# KiCad board eeg_hardware_v1.kicad_pcb
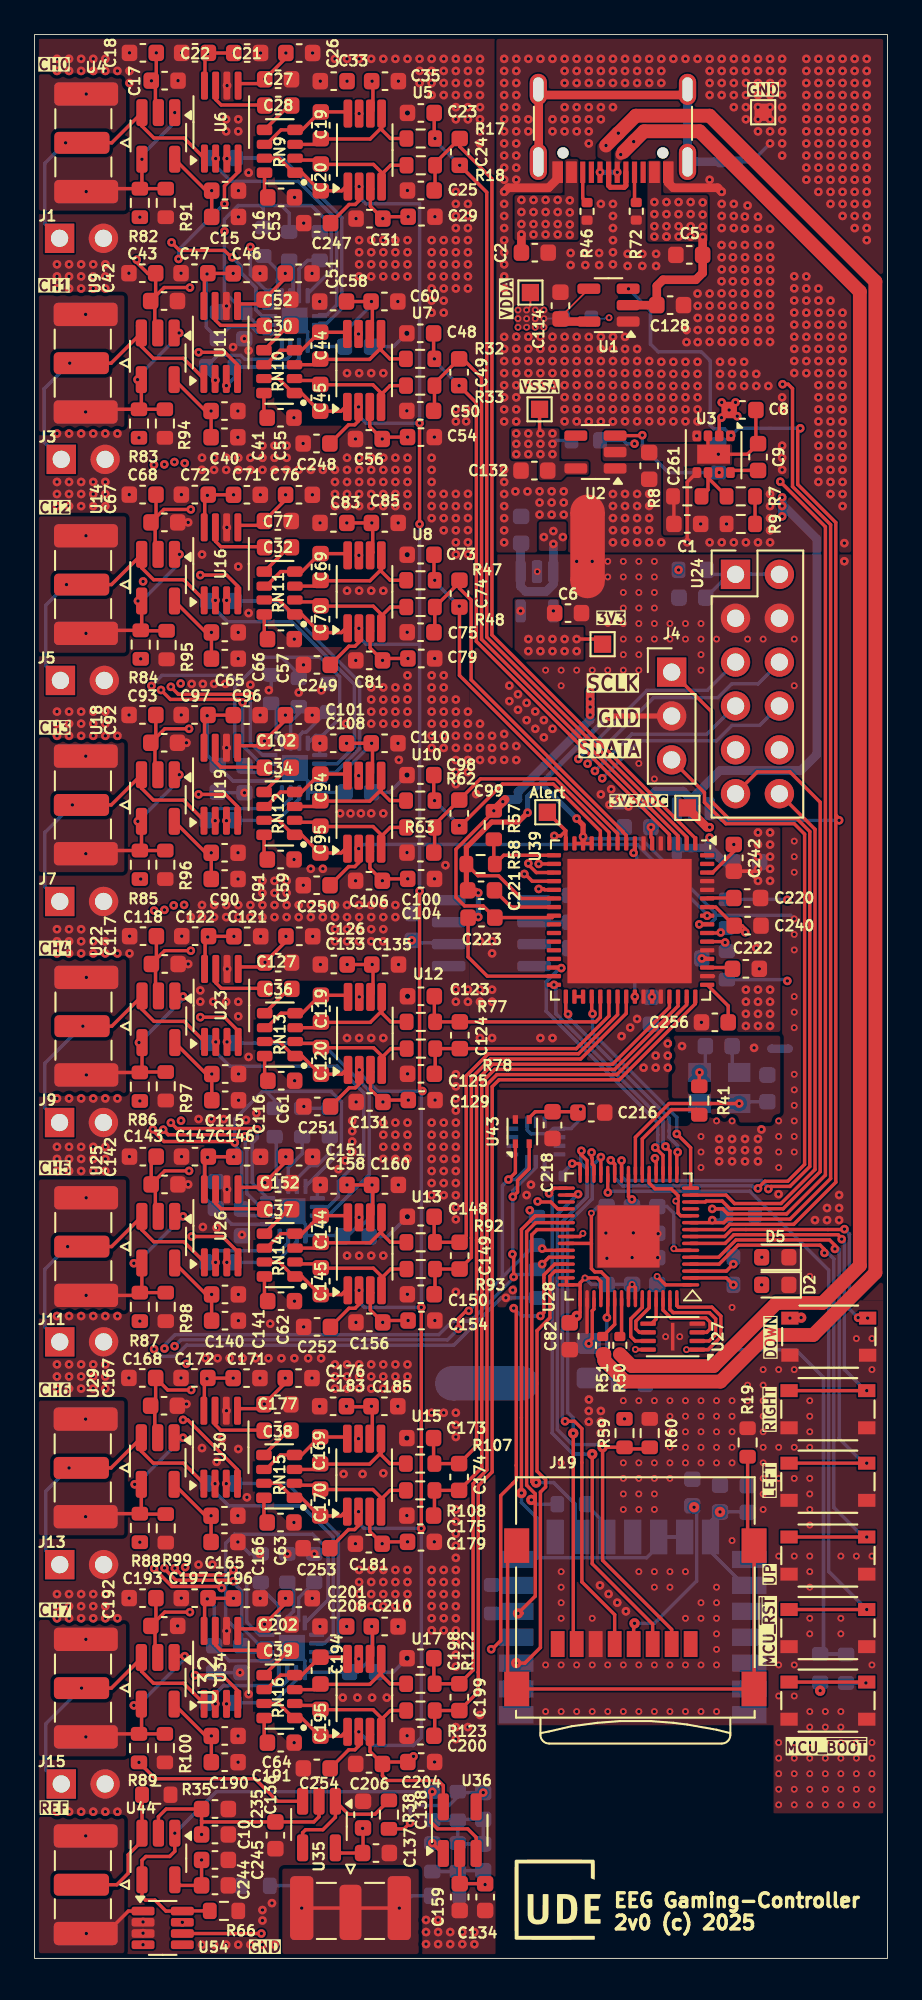
[diagram p0: board, top side]
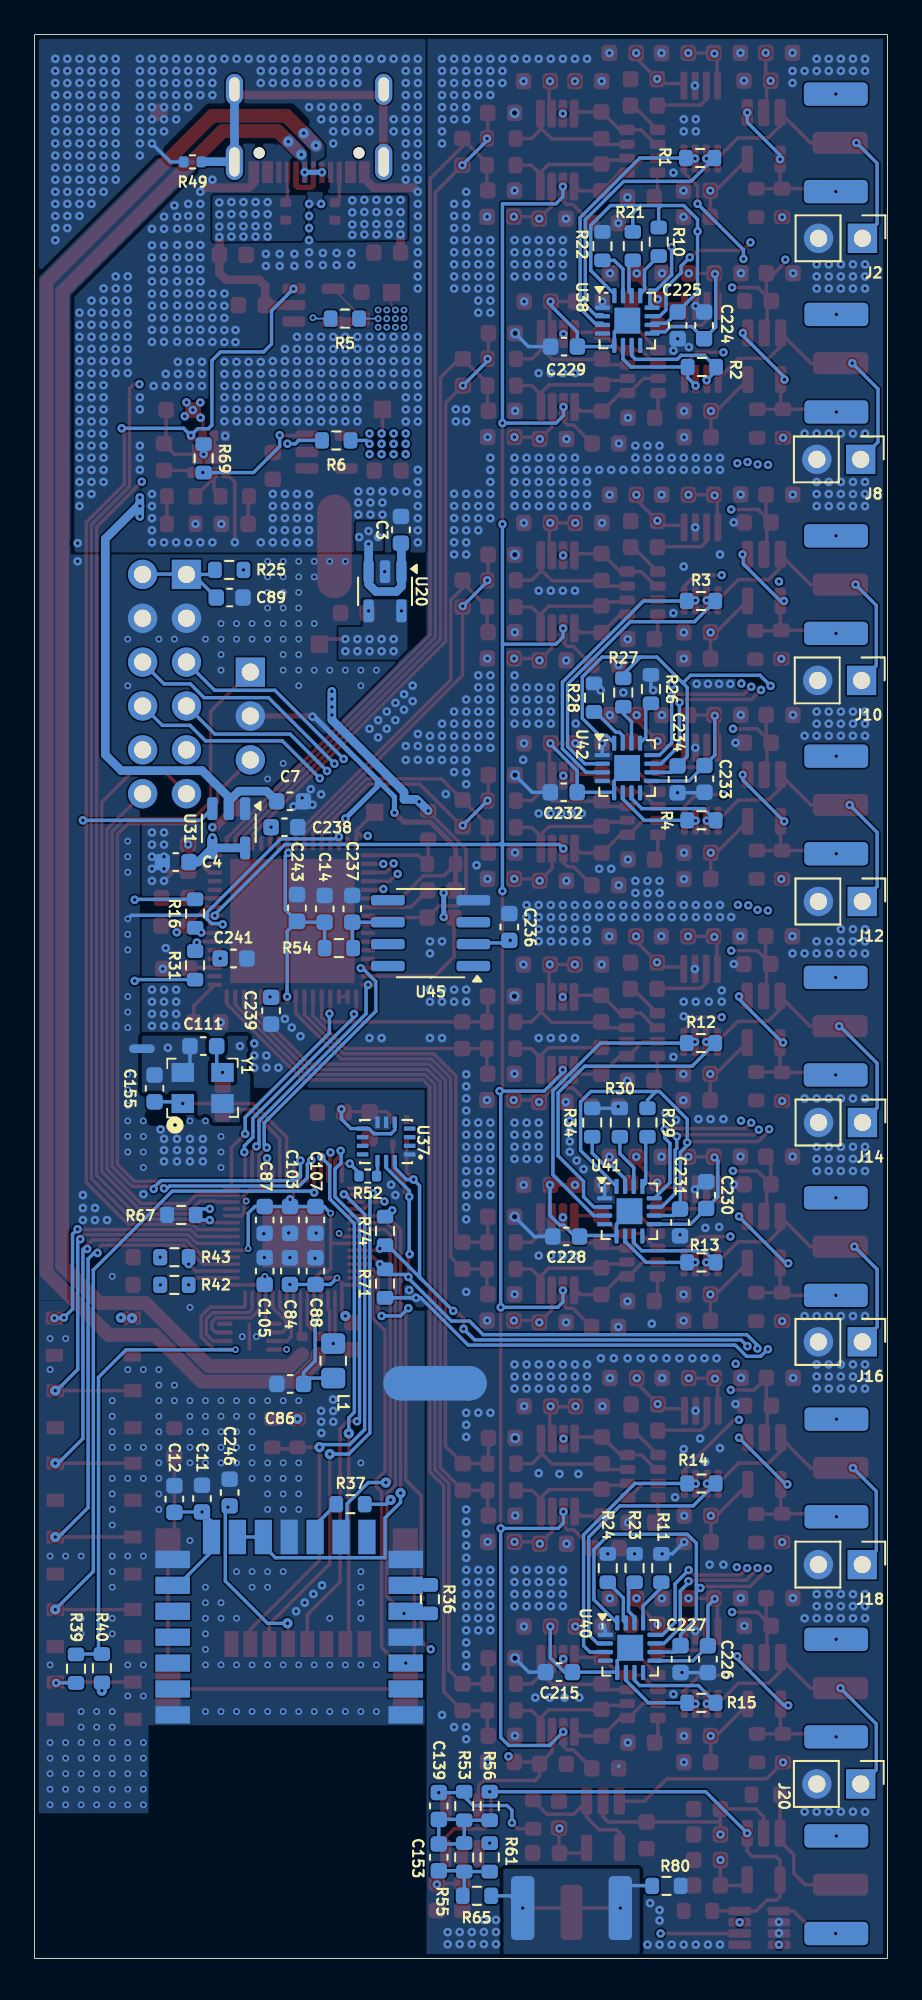
[diagram p1: board, bottom side, seen from below]

Outline 49.4 x 111.4 mm; copper layers: Top, In1.Cu, In2.Cu, Bottom. Coordinates in mm from the lower left corner of the outline.
Outline path: rectangle 0,111.4 49.4,0
Stack: Top 0.035mm / dielectric 0.1mm FR4 er 4.5 / In1.Cu 0.035mm / dielectric 1.24mm FR4 er 4.5 / In2.Cu 0.035mm / dielectric 0.1mm FR4 er 4.5 / Bottom 0.035mm

## Placement (name value [footprint] x y rotation side)
C1  22µ  [C_0603_1608Metric]  37.81 83.06 180 top
C2  22µ  [C_0603_1608Metric]  28.97 98.77 0 top
C3  100n  [C_0603_1608Metric]  28.18 82.72 90 bottom
C4  10µ  [C_0603_1608Metric]  41.22 63.48 0 bottom
C5  22µ  [C_0603_1608Metric]  37.92 98.64 180 top
C6  100n  [C_0603_1608Metric]  30.9 77.9 0 top
C7  10µ  [C_0603_1608Metric]  34.6 67 180 bottom
C8  10µ  [C_0603_1608Metric]  41 89.66 0 top
C9  100n  [C_0603_1608Metric]  41.91 86.94 90 top
C10  10µ  [C_0603_1608Metric]  10.45 7.18 0 top
C11  100n  [C_0603_1608Metric]  39.7 26.62 90 bottom
C12  100n  [C_0603_1608Metric]  41.3 26.6 90 bottom
C14  100n  [C_0603_1608Metric]  32.6 60.78 270 bottom
C15  10µ  [C_0603_1608Metric]  11.03 100.84 0 top
C16  100n  [C_0603_1608Metric]  11.03 102.36 0 top
C17  10µ  [C_0603_1608Metric]  7.53 108.73 0 top
C18  100n  [C_0603_1608Metric]  6.28 110.34 180 top
C19  1n  [C_0603_1608Metric]  16.58 106.15 270 top
C20  1n  [C_0603_1608Metric]  16.58 103.12 90 top
C21  10µ  [C_0603_1608Metric]  12.31 110.33 0 top
C22  100n  [C_0603_1608Metric]  9.3 110.34 180 top
C23  100p  [C_0603_1608Metric]  22.37 106.86 0 top  (not fitted)
C24  100p  [C_0603_1608Metric]  24.63 104.61 90 top
C25  100p  [C_0603_1608Metric]  22.37 102.37 180 top  (not fitted)
C26  10µ  [C_0603_1608Metric]  15.33 110.33 0 top
C27  100n  [C_0603_1608Metric]  14.11 108.81 0 top
C28  68µ  [C_0603_1608Metric]  14.11 107.29 180 top
C29  10u  [C_0603_1608Metric]  22.42 100.85 0 top
C30  68µ  [C_0603_1608Metric]  14.08 94.53 180 top
C31  100n  [C_0603_1608Metric]  19.39 100.74 180 top
C32  68µ  [C_0603_1608Metric]  14.1 81.71 180 top
C33  10u  [C_0603_1608Metric]  17.33 108.7 180 top
C34  68µ  [C_0603_1608Metric]  14.09 68.95 180 top
C35  100n  [C_0603_1608Metric]  20.3 108.7 0 top
C36  68µ  [C_0603_1608Metric]  14.12 56.14 180 top
C37  68µ  [C_0603_1608Metric]  14.11 43.38 180 top
C38  68µ  [C_0603_1608Metric]  14.08 30.56 180 top
C39  68µ  [C_0603_1608Metric]  14.09 17.81 180 top
C40  10µ  [C_0603_1608Metric]  11 88.08 0 top
C41  100n  [C_0603_1608Metric]  11 89.6 0 top
C42  10µ  [C_0603_1608Metric]  7.5 95.97 0 top
C43  100n  [C_0603_1608Metric]  6.24 97.58 180 top
C44  1n  [C_0603_1608Metric]  16.55 93.39 270 top
C45  1n  [C_0603_1608Metric]  16.55 90.37 90 top
C46  10µ  [C_0603_1608Metric]  12.28 97.57 0 top
C47  100n  [C_0603_1608Metric]  9.26 97.58 180 top
C48  100p  [C_0603_1608Metric]  22.34 94.1 0 top  (not fitted)
C49  100p  [C_0603_1608Metric]  24.59 91.84 90 top
C50  100p  [C_0603_1608Metric]  22.34 89.61 180 top  (not fitted)
C51  10µ  [C_0603_1608Metric]  15.3 97.57 0 top
C52  100n  [C_0603_1608Metric]  14.07 96.05 0 top
C53  68µ  [C_0603_1608Metric]  14.28 101.97 0 top
C54  10u  [C_0603_1608Metric]  22.38 88.09 0 top
C55  68µ  [C_0603_1608Metric]  14.25 89.21 0 top
C56  100n  [C_0603_1608Metric]  19.36 87.98 180 top
C57  68µ  [C_0603_1608Metric]  14.27 76.39 0 top
C58  10u  [C_0603_1608Metric]  17.29 95.94 180 top
C59  68µ  [C_0603_1608Metric]  14.26 63.63 0 top
C60  100n  [C_0603_1608Metric]  20.27 95.94 0 top
C61  68µ  [C_0603_1608Metric]  14.29 50.82 0 top
C62  68µ  [C_0603_1608Metric]  14.28 38.06 0 top
C63  68µ  [C_0603_1608Metric]  14.25 25.24 0 top
C64  68µ  [C_0603_1608Metric]  14.26 12.49 0 top
C65  10µ  [C_0603_1608Metric]  11.02 75.26 0 top
C66  100n  [C_0603_1608Metric]  11.02 76.78 0 top
C67  10µ  [C_0603_1608Metric]  7.52 83.15 0 top
C68  100n  [C_0603_1608Metric]  6.26 84.76 180 top
C69  1n  [C_0603_1608Metric]  16.57 80.56 270 top
C70  1n  [C_0603_1608Metric]  16.57 77.55 90 top
C71  10µ  [C_0603_1608Metric]  12.3 84.75 0 top
C72  100n  [C_0603_1608Metric]  9.28 84.76 180 top
C73  100p  [C_0603_1608Metric]  22.36 81.28 0 top  (not fitted)
C74  100p  [C_0603_1608Metric]  24.61 79.03 90 top
C75  100p  [C_0603_1608Metric]  22.36 76.79 180 top  (not fitted)
C76  10µ  [C_0603_1608Metric]  15.32 84.75 0 top
C77  100n  [C_0603_1608Metric]  14.09 83.23 0 top
C79  10u  [C_0603_1608Metric]  22.4 75.27 0 top
C81  100n  [C_0603_1608Metric]  19.38 75.16 180 top
C82  10µ  [C_0603_1608Metric]  31 36.03 90 top
C83  10u  [C_0603_1608Metric]  17.31 83.12 180 top
C84  100n  [C_0603_1608Metric]  34.61 39.8 270 bottom
C85  100n  [C_0603_1608Metric]  20.29 83.12 0 top
C86  10µ  [C_0603_1608Metric]  34.59 33.26 180 bottom
C87  100n  [C_0603_1608Metric]  36.07 42.76 90 bottom
C88  100n  [C_0603_1608Metric]  33.13 39.8 270 bottom
C89  100n  [C_0603_1608Metric]  38.1 78.8 180 bottom
C90  10µ  [C_0603_1608Metric]  11.01 62.5 0 top
C91  100n  [C_0603_1608Metric]  11.01 64.02 0 top
C92  10µ  [C_0603_1608Metric]  7.51 70.39 0 top
C93  100n  [C_0603_1608Metric]  6.25 72 180 top
C94  1n  [C_0603_1608Metric]  16.56 67.81 270 top
C95  1n  [C_0603_1608Metric]  16.56 64.79 90 top
C96  10µ  [C_0603_1608Metric]  12.29 71.99 0 top
C97  100n  [C_0603_1608Metric]  9.27 72 180 top
C98  100p  [C_0603_1608Metric]  22.35 68.52 0 top  (not fitted)
C99  100p  [C_0603_1608Metric]  24.6 66.3 90 top
C100  100p  [C_0603_1608Metric]  22.35 64.03 180 top  (not fitted)
C101  10µ  [C_0603_1608Metric]  15.31 71.99 0 top
C102  100n  [C_0603_1608Metric]  14.08 70.47 0 top
C103  100n  [C_0603_1608Metric]  34.6 42.76 90 bottom
C104  10u  [C_0603_1608Metric]  22.39 62.51 0 top
C105  100n  [C_0603_1608Metric]  36.07 39.8 270 bottom
C106  100n  [C_0603_1608Metric]  19.37 62.4 180 top
C107  100n  [C_0603_1608Metric]  33.13 42.76 90 bottom
C108  10u  [C_0603_1608Metric]  17.3 70.36 180 top
C110  100n  [C_0603_1608Metric]  20.28 70.36 0 top
C111  22p  [C_0603_1608Metric]  39.62 52.83 0 bottom
C114  10µ  [C_0603_1608Metric]  30.46 95.71 90 top
C115  10µ  [C_0603_1608Metric]  11.04 49.69 0 top
C116  100n  [C_0603_1608Metric]  11.04 51.21 0 top
C117  10µ  [C_0603_1608Metric]  7.54 57.58 0 top
C118  100n  [C_0603_1608Metric]  6.28 59.19 180 top
C119  1n  [C_0603_1608Metric]  16.59 55 270 top
C120  1n  [C_0603_1608Metric]  16.59 51.98 90 top
C121  10µ  [C_0603_1608Metric]  12.32 59.18 0 top
C122  100n  [C_0603_1608Metric]  9.3 59.19 180 top
C123  100p  [C_0603_1608Metric]  22.38 55.71 0 top  (not fitted)
C124  100p  [C_0603_1608Metric]  24.63 53.46 270 top
C125  100p  [C_0603_1608Metric]  22.38 51.22 180 top  (not fitted)
C126  10µ  [C_0603_1608Metric]  15.34 59.18 0 top
C127  100n  [C_0603_1608Metric]  14.11 57.66 0 top
C128  10µ  [C_0603_1608Metric]  36.81 95.73 0 top
C129  10u  [C_0603_1608Metric]  22.42 49.7 0 top
C131  100n  [C_0603_1608Metric]  19.4 49.59 180 top
C132  10µ  [C_0603_1608Metric]  28.95 86.15 180 top
C133  10u  [C_0603_1608Metric]  17.33 57.55 180 top
C134  10µ  [C_0603_1608Metric]  26.1 3.55 270 top
C135  100n  [C_0603_1608Metric]  20.31 57.55 0 top
C136  100n  [C_0603_1608Metric]  13.95 7.12 270 top
C137  100n  [C_0603_1608Metric]  19.78 6.1 0 top
C138  10µ  [C_0603_1608Metric]  19.03 8.33 90 top
C139  100n  [C_0603_1608Metric]  25.99 8.83 270 bottom
C140  10µ  [C_0603_1608Metric]  11.03 36.93 0 top
C141  100n  [C_0603_1608Metric]  11.03 38.45 0 top
C142  10µ  [C_0603_1608Metric]  7.53 44.82 0 top
C143  100n  [C_0603_1608Metric]  6.27 46.43 180 top
C144  1n  [C_0603_1608Metric]  16.58 42.23 270 top
C145  1n  [C_0603_1608Metric]  16.58 39.21 90 top
C146  10µ  [C_0603_1608Metric]  12.31 46.42 0 top
C147  100n  [C_0603_1608Metric]  9.29 46.43 180 top
C148  100p  [C_0603_1608Metric]  22.37 42.95 0 top  (not fitted)
C149  100p  [C_0603_1608Metric]  24.62 40.69 270 top
C150  100p  [C_0603_1608Metric]  22.37 38.46 180 top  (not fitted)
C151  10µ  [C_0603_1608Metric]  15.33 46.42 0 top
C152  100n  [C_0603_1608Metric]  14.1 44.9 0 top
C153  10n  [C_0603_1608Metric]  25.99 5.85 270 bottom
C154  10u  [C_0603_1608Metric]  22.41 36.94 0 top
C155  22p  [C_0603_1608Metric]  42.45 50.38 90 bottom
C156  100n  [C_0603_1608Metric]  19.39 36.83 180 top
C158  10u  [C_0603_1608Metric]  17.32 44.79 180 top
C159  100n  [C_0603_1608Metric]  24.62 3.55 270 top
C160  100n  [C_0603_1608Metric]  20.3 44.79 0 top
C165  10µ  [C_0603_1608Metric]  11 24.11 0 top
C166  100n  [C_0603_1608Metric]  11 25.63 0 top
C167  10µ  [C_0603_1608Metric]  7.5 32 0 top
C168  100n  [C_0603_1608Metric]  6.24 33.61 180 top
C169  1n  [C_0603_1608Metric]  16.55 29.42 270 top
C170  1n  [C_0603_1608Metric]  16.55 26.4 90 top
C171  10µ  [C_0603_1608Metric]  12.28 33.6 0 top
C172  100n  [C_0603_1608Metric]  9.26 33.61 180 top
C173  100p  [C_0603_1608Metric]  22.34 30.13 0 top  (not fitted)
C174  100p  [C_0603_1608Metric]  24.59 27.88 270 top
C175  100p  [C_0603_1608Metric]  22.34 25.64 180 top  (not fitted)
C176  10µ  [C_0603_1608Metric]  15.3 33.6 0 top
C177  100n  [C_0603_1608Metric]  14.07 32.08 0 top
C179  10u  [C_0603_1608Metric]  22.38 24.12 0 top
C181  100n  [C_0603_1608Metric]  19.36 24.01 180 top
C183  10u  [C_0603_1608Metric]  17.29 31.97 180 top
C185  100n  [C_0603_1608Metric]  20.27 31.97 0 top
C190  10µ  [C_0603_1608Metric]  11.02 11.36 0 top
C191  100n  [C_0603_1608Metric]  11.02 12.88 0 top
C192  10µ  [C_0603_1608Metric]  7.52 19.25 0 top
C193  100n  [C_0603_1608Metric]  6.25 20.86 180 top
C194  1n  [C_0603_1608Metric]  16.56 16.67 270 top
C195  1n  [C_0603_1608Metric]  16.56 13.65 90 top
C196  10µ  [C_0603_1608Metric]  12.3 20.85 0 top
C197  100n  [C_0603_1608Metric]  9.28 20.86 180 top
C198  100p  [C_0603_1608Metric]  22.35 17.38 0 top  (not fitted)
C199  100p  [C_0603_1608Metric]  24.61 15.12 270 top
C200  100p  [C_0603_1608Metric]  22.35 12.89 180 top  (not fitted)
C201  10µ  [C_0603_1608Metric]  15.31 20.85 0 top
C202  100n  [C_0603_1608Metric]  14.08 19.33 0 top
C204  10u  [C_0603_1608Metric]  22.39 11.37 0 top
C206  100n  [C_0603_1608Metric]  19.38 11.26 180 top
C208  10u  [C_0603_1608Metric]  17.31 19.22 180 top
C210  100n  [C_0603_1608Metric]  20.28 19.22 0 top
C215  100n  [C_0603_1608Metric]  19.03 16.58 180 bottom
C216  100n  [C_0603_1608Metric]  32.25 48.98 0 top
C218  100n  [C_0603_1608Metric]  30 48.25 270 top
C220  1µ  [C_0603_1608Metric]  41.28 61.4 0 top
C221  1µ  [C_0603_1608Metric]  25.86 61.85 180 top
C222  1µ  [C_0603_1608Metric]  41.2 57.3 0 top
C223  100n  [C_0603_1608Metric]  25.89 60.27 0 top
C224  100n  [C_0603_1608Metric]  10.62 94.56 90 bottom
C225  100n  [C_0603_1608Metric]  12.15 94.56 270 bottom
C226  100n  [C_0603_1608Metric]  10.4 17.33 270 bottom
C227  100n  [C_0603_1608Metric]  11.98 17.33 270 bottom
C228  100n  [C_0603_1608Metric]  18.61 41.8 180 bottom
C229  100n  [C_0603_1608Metric]  18.73 93.33 180 bottom
C230  100n  [C_0603_1608Metric]  10.5 44.2 90 bottom
C231  100n  [C_0603_1608Metric]  12.01 42.62 270 bottom
C232  100n  [C_0603_1608Metric]  18.75 67.52 180 bottom
C233  100n  [C_0603_1608Metric]  10.6 68.3 270 bottom
C234  100n  [C_0603_1608Metric]  12.16 68.27 270 bottom
C235  100n  [C_0603_1608Metric]  10.45 8.65 0 top
C236  1µ  [C_0603_1608Metric]  21.9 59.73 90 bottom
C237  10µ  [C_0603_1608Metric]  31 60.78 90 bottom
C238  1µ  [C_0603_1608Metric]  34.92 65.5 0 bottom
C239  1µ  [C_0603_1608Metric]  35.7 54.88 270 bottom
C240  1µ  [C_0603_1608Metric]  41.3 59.8 180 top
C241  1µ  [C_0603_1608Metric]  37.88 57.9 180 bottom
C242  1µ  [C_0603_1608Metric]  40.5 63.73 90 top
C243  100n  [C_0603_1608Metric]  34.2 60.83 270 bottom
C244  100n  [C_0603_1608Metric]  10.45 4.22 0 top
C245  10µ  [C_0603_1608Metric]  10.45 5.7 0 top
C246  100n  [C_0603_1608Metric]  38.1 26.98 90 bottom
C247  100n  [C_0603_1608Metric]  16.36 100.48 180 top  (not fitted)
C248  100n  [C_0603_1608Metric]  16.33 87.72 180 top  (not fitted)
C249  100n  [C_0603_1608Metric]  16.35 74.9 180 top  (not fitted)
C250  100n  [C_0603_1608Metric]  16.34 62.14 180 top  (not fitted)
C251  100n  [C_0603_1608Metric]  16.37 49.33 180 top  (not fitted)
C252  100n  [C_0603_1608Metric]  16.36 36.57 180 top  (not fitted)
C253  100n  [C_0603_1608Metric]  16.33 23.75 180 top  (not fitted)
C254  100n  [C_0603_1608Metric]  16.34 11 180 top  (not fitted)
C256  100n  [C_0603_1608Metric]  39.4 54.2 0 top
C261  10µ  [C_0603_1608Metric]  35.6 86.43 270 top
D2  LED_IDLE  [LED_0603_1608Metric]  42.9 39 180 top
D5  LED_SAMP  [LED_0603_1608Metric]  42.9 40.6 180 top
G***  LOGO  [logo_ude_5x5]  30.3 3.4 0 top
J1  SMA-FEMALE-H  [SMA_Samtec_SMA-J-P-H-ST-EM1_EdgeMount]  2.74 105.13 180 top
J2  PIN-MALE-H  [PinHeader_1x02_P2.54mm_Vertical]  1.45 99.6 270 bottom  (not fitted)
J3  SMA-FEMALE-H  [SMA_Samtec_SMA-J-P-H-ST-EM1_EdgeMount]  2.71 92.37 180 top
J4  Pico Debugger (SWD)  [PinHeader_1x03_P2.54mm_Vertical]  36.9 74.48 0 top
J5  SMA-FEMALE-H  [SMA_Samtec_SMA-J-P-H-ST-EM1_EdgeMount]  2.73 79.55 180 top
J6  USB-C Receptable (16P)  [USB_C_Receptacle_16P]  33.5 107.15 180 top
J7  SMA-FEMALE-H  [SMA_Samtec_SMA-J-P-H-ST-EM1_EdgeMount]  2.72 66.79 180 top
J8  PIN-MALE-H  [PinHeader_1x02_P2.54mm_Vertical]  1.55 86.8 270 bottom  (not fitted)
J9  SMA-FEMALE-H  [SMA_Samtec_SMA-J-P-H-ST-EM1_EdgeMount]  2.75 53.98 180 top
J10  PIN-MALE-H  [PinHeader_1x02_P2.54mm_Vertical]  1.5 74 270 bottom  (not fitted)
J11  SMA-FEMALE-H  [SMA_Samtec_SMA-J-P-H-ST-EM1_EdgeMount]  2.74 41.22 180 top
J12  PIN-MALE-H  [PinHeader_1x02_P2.54mm_Vertical]  1.46 61.2 270 bottom  (not fitted)
J13  SMA-FEMALE-H  [SMA_Samtec_SMA-J-P-H-ST-EM1_EdgeMount]  2.71 28.4 180 top
J14  PIN-MALE-H  [PinHeader_1x02_P2.54mm_Vertical]  1.45 48.4 270 bottom  (not fitted)
J15  SMA-FEMALE-H  [SMA_Samtec_SMA-J-P-H-ST-EM1_EdgeMount]  2.72 15.65 180 top
J16  PIN-MALE-H  [PinHeader_1x02_P2.54mm_Vertical]  1.46 35.7 270 bottom  (not fitted)
J17  SMA-FEMALE-H  [SMA_Samtec_SMA-J-P-H-ST-EM1_EdgeMount]  2.72 4.27 180 top
J18  PIN-MALE-H  [PinHeader_1x02_P2.54mm_Vertical]  1.46 22.8 270 bottom  (not fitted)
J19  Micro_SD_Card  [microSD_HC_Wuerth_693072010801]  34.8 19.75 180 top
J20  PIN-MALE-H  [PinHeader_1x02_P2.54mm_Vertical]  1.55 10.1 270 bottom  (not fitted)
J21  SMA-FEMALE-H  [SMA_Samtec_SMA-J-P-H-ST-EM1_EdgeMount]  18.3 2.66 270 top
L1  3µ3  [R_0805_2012Metric_Pad1.20x1.40mm_HandSolder]  32.1 34.6 90 bottom
NT1  NetTie_2  [NetTie-2_SMD_Pad2.0mm]  32.03 81.76 90 top
NT2  NetTie_2  [NetTie-2_SMD_Pad2.0mm]  26.2 33.3 180 bottom
NT3  NetTie_2  [NetTie-2_SMD_Pad0.5mm]  43.18 52.68 180 bottom
R1  1k  [R_0603_1608Metric]  10.85 104.25 180 bottom  (not fitted)
R2  1k  [R_0603_1608Metric]  10.75 92.15 180 bottom  (not fitted)
R3  1k  [R_0603_1608Metric]  10.8 78.6 180 bottom  (not fitted)
R4  1k  [R_0603_1608Metric]  10.78 65.9 180 bottom  (not fitted)
R5  10k  [R_0603_1608Metric]  31.42 94.95 0 bottom  (not fitted)
R6  10k  [R_0603_1608Metric]  31.92 87.9 0 bottom  (not fitted)
R7  1k  [R_0603_1608Metric]  40.91 84.66 180 top
R8  10k  [R_0603_1608Metric]  37.81 84.66 180 top
R9  22k  [R_0603_1608Metric]  40.91 83.06 180 top
R10  4k7  [R_0603_1608Metric]  13.25 99.4 270 bottom
R11  4k7  [R_0603_1608Metric]  13.1 22.6 270 bottom
R12  1k  [R_0603_1608Metric]  10.8 53 180 bottom  (not fitted)
R13  1k  [R_0603_1608Metric]  10.78 40.3 180 bottom  (not fitted)
R14  1k  [R_0603_1608Metric]  10.78 27.5 180 bottom  (not fitted)
R15  1k  [R_0603_1608Metric]  10.78 14.8 180 bottom  (not fitted)
R16  5k1  [R_0603_1608Metric]  40.1 60.5 270 bottom
R17  100R  [R_0603_1608Metric]  22.37 105.38 0 top
R18  100R  [R_0603_1608Metric]  22.37 103.83 0 top
R19  750R  [R_0603_1608Metric]  41.3 29.88 90 top
R21  4k7  [R_0603_1608Metric]  14.75 99.15 270 bottom
R22  4k7  [R_0603_1608Metric]  16.51 99.15 270 bottom
R23  4k7  [R_0603_1608Metric]  14.64 22.6 270 bottom
R24  4k7  [R_0603_1608Metric]  16.2 22.6 270 bottom
R25  0R1  [R_0603_1608Metric]  38.12 80.4 180 bottom  (not fitted)
R26  4k7  [R_0603_1608Metric]  13.7 73.5 270 bottom
R27  4k7  [R_0603_1608Metric]  15.3 73.3 270 bottom
R28  4k7  [R_0603_1608Metric]  17 73 270 bottom
R29  4k7  [R_0603_1608Metric]  13.9 48.4 270 bottom
R30  4k7  [R_0603_1608Metric]  15.5 48.4 270 bottom
R31  5k1  [R_0603_1608Metric]  40.1 57.5 90 bottom
R32  100R  [R_0603_1608Metric]  22.33 92.62 0 top
R33  100R  [R_0603_1608Metric]  22.34 91.07 0 top
R34  4k7  [R_0603_1608Metric]  17.1 48.4 270 bottom
R35  0R1  [R_0603_1608Metric]  7.05 9.48 180 top  (not fitted)
R36  750R  [R_0603_1608Metric]  26.5 20.8 270 bottom
R37  100k  [R_0603_1608Metric]  31.1 26.3 180 bottom
R38  1k5  [R_0603_1608Metric]  20.53 8.33 90 top
R39  750R  [R_0603_1608Metric]  47 16.78 270 bottom
R40  10k  [R_0603_1608Metric]  45.5 16.8 270 bottom  (not fitted)
R41  750R  [R_0603_1608Metric]  38.5 49.68 270 top
R42  750R  [R_0603_1608Metric]  41.3 39 0 bottom
R43  750R  [R_0603_1608Metric]  41.3 40.6 0 bottom
R46  5k1  [R_0402_1005Metric]  32 101.16 270 top
R47  100R  [R_0603_1608Metric]  22.35 79.8 0 top
R48  100R  [R_0603_1608Metric]  22.36 78.25 0 top
R49  5k1  [R_0402_1005Metric]  40.25 104.03 0 bottom
R50  27R  [R_0402_1005Metric]  33.9 35.5 270 top
R51  27R  [R_0402_1005Metric]  32.9 35.5 270 top
R52  5k1  [R_0402_1005Metric]  30.1 45.3 180 bottom
R53  160k  [R_0603_1608Metric]  24.51 8.83 90 bottom
R54  0R1  [R_0603_1608Metric]  31.78 58.5 0 bottom
R55  160k  [R_0603_1608Metric]  24.51 5.85 90 bottom
R56  1k5  [R_0603_1608Metric]  23.04 8.83 90 bottom
R57  4k7  [R_0603_1608Metric]  26.6 65.62 270 top  (not fitted)
R58  4k7  [R_0603_1608Metric]  25.83 63.37 180 top
R59  10k  [R_0603_1608Metric]  34.17 30.42 270 top
R60  10k  [R_0603_1608Metric]  35.63 30.42 90 top  (not fitted)
R61  1k5  [R_0603_1608Metric]  23.04 5.85 90 bottom
R62  100R  [R_0603_1608Metric]  22.34 67.04 0 top
R63  100R  [R_0603_1608Metric]  22.35 65.49 0 top
R65  0R1  [R_0603_1608Metric]  23.78 3.62 0 bottom
R66  0R1  [R_0603_1608Metric]  10.97 2.75 180 top  (not fitted)
R67  10k  [R_0603_1608Metric]  40.9 43.05 180 bottom
R69  10k  [R_0603_1608Metric]  39.61 86.86 270 bottom
R71  5k1  [R_0603_1608Metric]  29.1 39.08 270 bottom
R72  5k1  [R_0402_1005Metric]  34.85 101.17 270 top
R74  5k1  [R_0603_1608Metric]  29.1 42.12 90 bottom
R77  100R  [R_0603_1608Metric]  22.38 54.23 0 top
R78  100R  [R_0603_1608Metric]  22.38 52.68 0 top
R80  0R1  [R_0603_1608Metric]  12.8 4.2 0 bottom  (not fitted)
R82  10k  [R_0603_1608Metric]  6.1 101.65 90 top  (not fitted)
R83  10k  [R_0603_1608Metric]  6.05 88.88 90 top  (not fitted)
R84  10k  [R_0603_1608Metric]  6.15 76.08 90 top  (not fitted)
R85  10k  [R_0603_1608Metric]  6.1 63.33 90 top  (not fitted)
R86  10k  [R_0603_1608Metric]  6.1 50.48 90 top  (not fitted)
R87  10k  [R_0603_1608Metric]  6.1 37.73 90 top  (not fitted)
R88  10k  [R_0603_1608Metric]  6.1 24.93 90 top  (not fitted)
R89  10k  [R_0603_1608Metric]  6.05 12.18 90 top  (not fitted)
R91  0R1  [R_0603_1608Metric]  7.6 101.65 270 top  (not fitted)
R92  100R  [R_0603_1608Metric]  22.36 41.47 0 top
R93  100R  [R_0603_1608Metric]  22.37 39.92 0 top
R94  0R1  [R_0603_1608Metric]  7.55 88.88 270 top  (not fitted)
R95  0R1  [R_0603_1608Metric]  7.65 76.05 270 top  (not fitted)
R96  0R1  [R_0603_1608Metric]  7.58 63.33 270 top  (not fitted)
R97  0R1  [R_0603_1608Metric]  7.6 50.5 270 top  (not fitted)
R98  0R1  [R_0603_1608Metric]  7.6 37.73 270 top  (not fitted)
R99  0R1  [R_0603_1608Metric]  7.6 24.9 270 top  (not fitted)
R100  0R1  [R_0603_1608Metric]  7.55 12.18 270 top  (not fitted)
R107  100R  [R_0603_1608Metric]  22.33 28.65 0 top
R108  100R  [R_0603_1608Metric]  22.34 27.1 0 top
R122  100R  [R_0603_1608Metric]  22.35 15.9 0 top
R123  100R  [R_0603_1608Metric]  22.35 14.35 0 top
RN9  22k  [RES_YC164_CAXE80P320X160X70]  14.2 104.64 180 top
RN10  22k  [RES_YC164_CAXE80P320X160X70]  14.17 91.88 180 top
RN11  22k  [RES_YC164_CAXE80P320X160X70]  14.19 79.06 180 top
RN12  22k  [RES_YC164_CAXE80P320X160X70]  14.18 66.3 180 top
RN13  22k  [RES_YC164_CAXE80P320X160X70]  14.21 53.49 180 top
RN14  22k  [RES_YC164_CAXE80P320X160X70]  14.2 40.73 180 top
RN15  22k  [RES_YC164_CAXE80P320X160X70]  14.17 27.91 180 top
RN16  22k  [RES_YC164_CAXE80P320X160X70]  14.19 15.16 180 top
S2  MCU_~{BOOT}  [TACTILE-SWITCH]  45.95 14.93 0 top
S3  UP  [TACTILE-SWITCH]  45.95 23.33 0 top  (not fitted)
S4  LEFT  [TACTILE-SWITCH]  45.95 27.6 180 top  (not fitted)
S5  DOWN  [TACTILE-SWITCH]  46 36 180 top  (not fitted)
S6  RIGHT  [TACTILE-SWITCH]  45.95 31.8 180 top  (not fitted)
S8  MCU_~{RST}  [TACTILE-SWITCH]  45.95 19.12 0 top
TP1  Alert  [TestPoint_Pad_1.0x1.0mm]  29.7 66.37 0 top
TP2  VSSA  [TestPoint_Pad_1.0x1.0mm]  29.25 89.7 0 top
TP3  3V3  [TestPoint_Pad_1.0x1.0mm]  32.9 76.1 0 top
TP4  GND  [TestPoint_Pad_1.0x1.0mm]  42.2 106.9 0 top
TP5  3V3ADC  [TestPoint_Pad_1.0x1.0mm]  37.81 66.62 0 top
TP8  VDDA  [TestPoint_Pad_1.0x1.0mm]  28.72 96.46 0 top
U1  ADP7142AUJZ-2.5  [TSOT-23-5]  33.24 95.73 180 top
U2  ADP7182AUJZ-2.5  [TSOT-23-5]  32.49 87.23 180 top
U3  TPS82150  [Texas_SIL0008D_MicroSiP-8-1EP_2.8x3mm_P0.65mm_EP1.1x1.9mm]  39.33 87.1 270 top
U4  LTC2054HV  [SOT-23-5_HandSoldering]  7.17 105.53 270 top
U5  OPA1637  [VSSOP-8_3x3mm_P0.65mm]  19.13 104.71 90 top
U6  AD8422ARMZ  [MSOP-8_3x3mm_P0.65mm]  10.81 106.33 90 top
U7  OPA1637  [VSSOP-8_3x3mm_P0.65mm]  19.09 91.95 90 top
U8  OPA1637  [VSSOP-8_3x3mm_P0.65mm]  19.11 79.13 90 top
U9  LTC2054HV  [SOT-23-5_HandSoldering]  7.14 92.77 270 top
U10  OPA1637  [VSSOP-8_3x3mm_P0.65mm]  19.1 66.37 90 top
U11  AD8422ARMZ  [MSOP-8_3x3mm_P0.65mm]  10.78 93.57 90 top
U12  OPA1637  [VSSOP-8_3x3mm_P0.65mm]  19.13 53.56 90 top
U13  OPA1637  [VSSOP-8_3x3mm_P0.65mm]  19.12 40.8 90 top
U14  LTC2054HV  [SOT-23-5_HandSoldering]  7.16 79.95 270 top
U15  OPA1637  [VSSOP-8_3x3mm_P0.65mm]  19.09 27.98 90 top
U16  AD8422ARMZ  [MSOP-8_3x3mm_P0.65mm]  10.8 80.75 90 top
U17  OPA1637  [VSSOP-8_3x3mm_P0.65mm]  19.11 15.23 90 top
U18  LTC2054HV  [SOT-23-5_HandSoldering]  7.14 67.19 270 top
U19  AD8422ARMZ  [MSOP-8_3x3mm_P0.65mm]  10.79 67.99 90 top
U20  ADP7142AUJZ-3.3  [TSOT-23-5]  29.1 79.16 270 bottom
U21  Pi-Radio  [RPi-Radio-Module]  34.65 16.65 0 bottom
U22  LTC2054HV  [SOT-23-5_HandSoldering]  7.18 54.38 270 top
U23  AD8422ARMZ  [MSOP-8_3x3mm_P0.65mm]  10.82 55.18 90 top
U24  PMOD  [PinHeader_2x06_P2.54mm_Vertical]  40.6 80.14 0 top
U25  LTC2054HV  [SOT-23-5_HandSoldering]  7.17 41.62 270 top
U26  AD8422ARMZ  [MSOP-8_3x3mm_P0.65mm]  10.81 42.42 90 top
U27  W25Q16JVUXIQ  [USON-8-1EP_3x2mm_P0.5mm_EP0.2x1.6mm]  36.96 36 180 top
U28  RP235xA  [QFN-60_EP_7x7_Pitch0.4mm]  34.4 41.8 180 top
U29  LTC2054HV  [SOT-23-5_HandSoldering]  7.14 28.8 270 top
U30  AD8422ARMZ  [MSOP-8_3x3mm_P0.65mm]  10.78 29.6 90 top
U31  ADP7142AUJZ-3.3  [TSOT-23-5]  38.15 65.44 270 bottom